# Altium PCB MCU025B.PcbDoc (part 3 of 4)
Units mil, origin at the board's own origin, x right, y up, seen from the top; angles counter-clockwise.
Board outline 2300 x 6150 mil, 6 copper layers (Top Signal, GND, Middle Signal, PWR, GND2, Bottom Signal), stack 61.64 mil thick; 237 components, 197 nets, 910 pads, 404 vias.
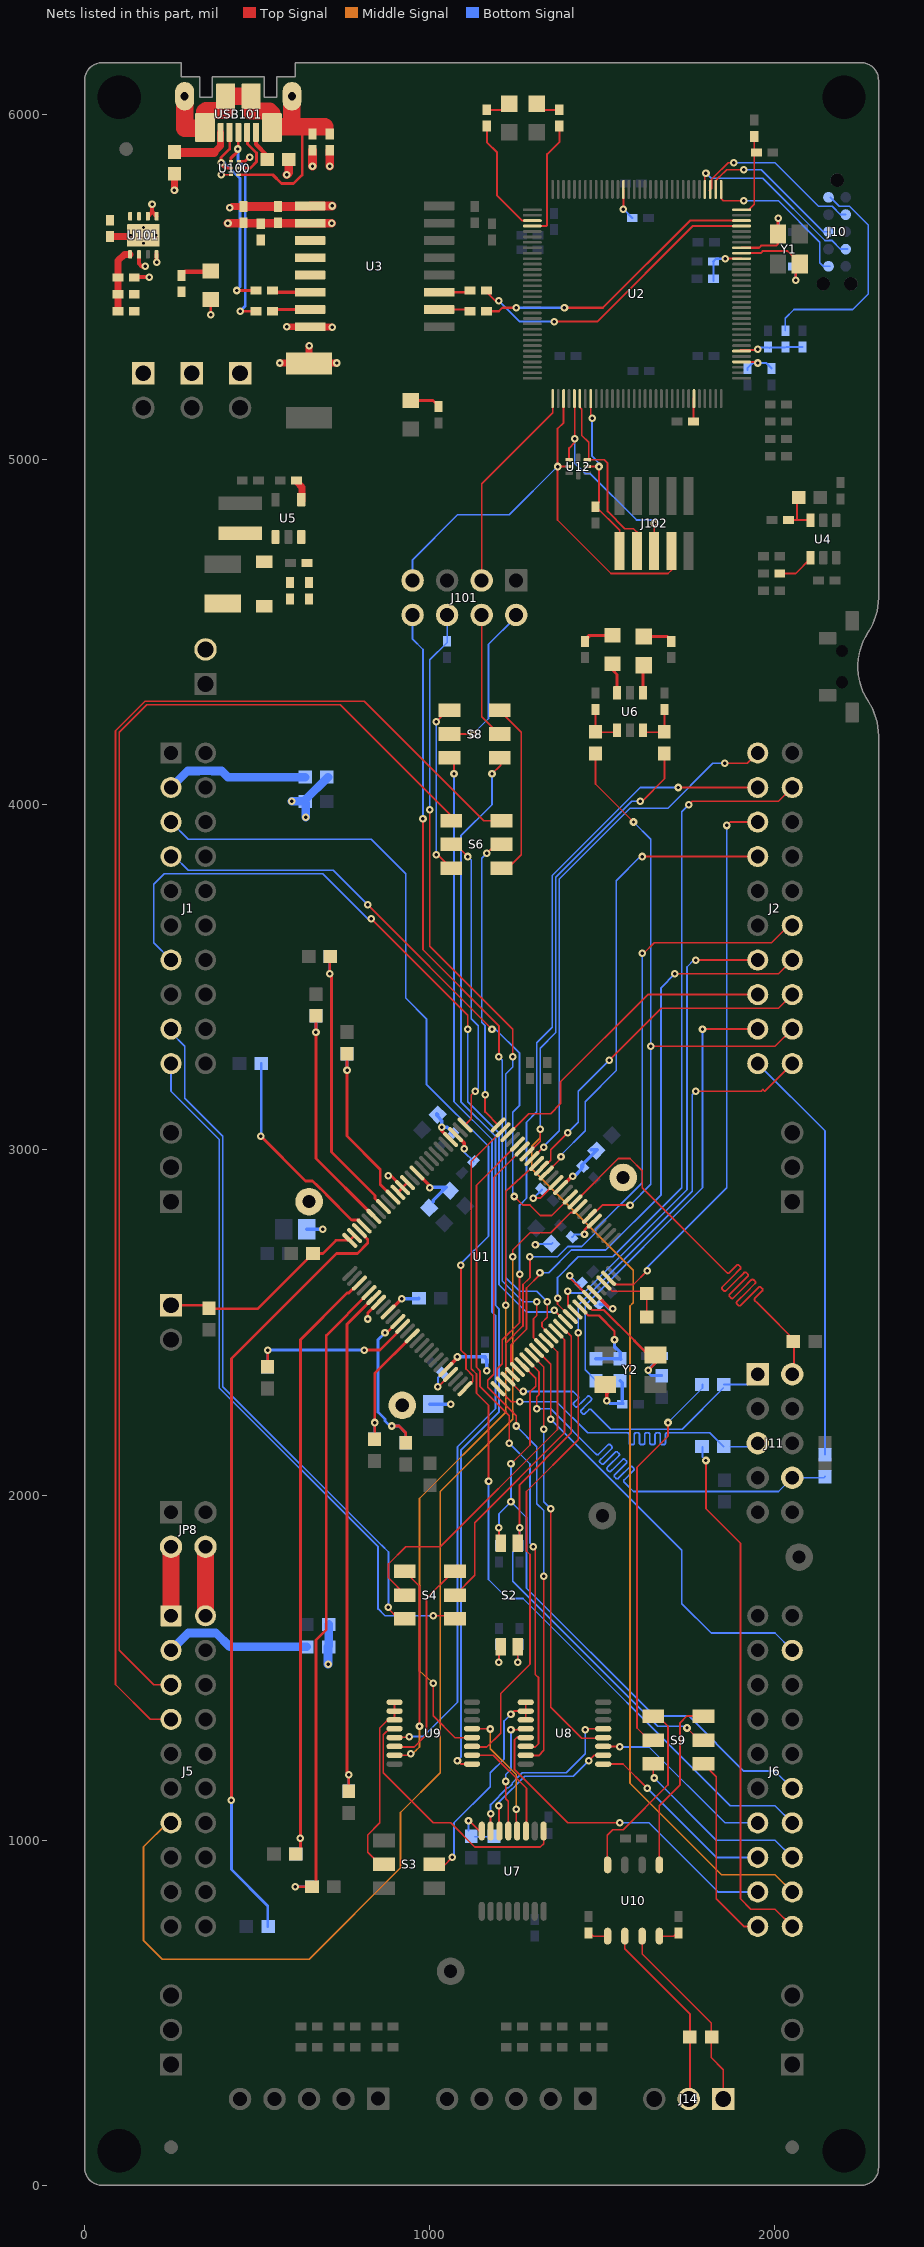
[diagram p7: the nets of this part, all layers, seen from the top]

## Via types
v1: diameter 22, hole 10, Top Signal to Bottom Signal, tented both sides, 400 vias
v2: diameter 19.68, hole 7.87, Top Signal to Bottom Signal, 4 vias

## Nets (pads, with @x,y where several pads share a name; then routed paths per layer and width w, separated by ;. In a path a pad name is that pad's centre, name@x,y a point inside that pad or via, vN(x,y) a via of type N, cw(c..) or ccw(c..) an arc to the next point about the centre after c; other vN are vias at no path point) (continued)
GPIO7_FSITXCLK: J11.2 R45.1 U1.84 | length 1583.5
  Top Signal w5: U1.84@1420.73,2849.38 1546.35,2975 1580,2975 1615,2940 1615,2890 1858.94,2646.06 1861.06,2643.94 ccw(c1864.24,2647.12) 1867.43,2643.94 1889.22,2665.73 cw(c1892.4,2662.55) 1895.58,2665.73 1899.83,2661.49 cw(c1896.64,2658.31) 1899.83,2655.12 1874.85,2630.15 1847.3,2602.6 ccw(c1850.48,2599.42) 1847.3,2596.24 1851.54,2591.99 ccw(c1854.73,2595.17) 1857.91,2591.99 1885.46,2619.54 1910.43,2644.52 cw(c1913.61,2641.33) 1916.8,2644.52 1921.04,2640.27 cw(c1917.86,2637.09) 1921.04,2633.91 1896.06,2608.94 1868.51,2581.39 ccw(c1871.7,2578.2) 1868.51,2575.02 1872.76,2570.78 ccw(c1875.94,2573.96) 1879.12,2570.78 1906.67,2598.33 1931.64,2623.3 cw(c1934.83,2620.12) 1938.01,2623.3 1942.25,2619.06 cw(c1939.07,2615.88) 1942.25,2612.7 1917.28,2587.72 1889.73,2560.17 ccw(c1892.91,2556.99) 1889.73,2553.81 1893.97,2549.57 ccw(c1897.15,2552.75) 1900.33,2549.57 1927.88,2577.12 1952.86,2602.09 cw(c1956.04,2598.91) 1959.22,2602.09 1963.46,2597.85 cw(c1960.28,2594.67) 1963.46,2591.48 1941.67,2569.69 ccw(c1944.85,2566.51) 1941.67,2563.33 1948.27,2556.73 1970,2535 2055,2450 2055,2355 J11.2@2050,2350
GPIO8: J2.38 U1.74 | length 1615.3
  Top Signal w5: U1.74@1518.17,2628.06 1536.23,2610 1590,2610 v1(1630,2650) ; v1(1860,3940) 1870,3950 J2.38@1950,3950
  Bottom Signal w5: v1(1630,2650) 1630,2660 1860,2890 v1(1860,3940)
GPIO9: J2.37 U1.90 | length 1370.1
  Top Signal w5: U1.90@1337.22,2932.89 1380,2975.68 v1(1380,2980) ; v1(1615,3850) J2.37@1950,3850
  Bottom Signal w5: v1(1380,2980) 1380,2985 1450,3055 1450,3140 1540,3230 1540,3780 1610,3850 v1(1615,3850)
GPIO10: J2.40 U1.93 | length 1570.2
  Top Signal w5: U1.93@1295.46,2974.65 1328.8,3008 v1(1330,3008) ; v1(1855,4120) 1920,4120 J2.40@1950,4150
  Bottom Signal w5: v1(1330,3008) 1330,3010 1375,3055 1375,3785 1580,3990 1690,3990 1820,4120 v1(1855,4120)
GPIO11: J2.39 U1.52 | length 2246.7
  Top Signal w5: U1.52@1211.94,2321.83 1195.45,2338.32 1195.45,2365.45 1210,2380 1210,2450 1260,2500 v1(1260,2640) ; v1(1720,4050) J2.39@1950,4050
  Bottom Signal w5: v1(1260,2640) 1260,2840 1280,2860 1280,3080 1310,3110 1310,3310 1355,3355 1355,3795 1610,4050 v1(1720,4050)
GPIO12_BP: J6.11 R47.2 | length 1538.7
  Top Signal w5: v1(1800,2100) 1800,1960 1900,1860 1900,830 1930,800 2000,800 J6.11@2050,750
  Bottom Signal w5: R47.2@1790,2140 1790,2110 v1(1800,2100)
GPIO12_FSIRXD0: J11.5 R47.1 U1.51 | length 1046.4
  Top Signal w5: U1.51@1198.02,2307.91 1235.93,2270 v1(1260,2270)
  Bottom Signal w5: v1(1260,2270) 1367,2270 1457,2180 1555,2180 1562.5,2180 1573,2180 cw(c1573,2175.5) 1577.5,2175.5 1577.5,2150.74 ccw(c1582,2150.74) 1582,2146.24 1588,2146.24 ccw(c1588,2150.74) 1592.5,2150.74 1592.5,2175.5 cw(c1597,2175.5) 1597,2180 1603,2180 cw(c1603,2175.5) 1607.5,2175.5 1607.5,2150.74 ccw(c1612,2150.74) 1612,2146.24 1618,2146.24 ccw(c1618,2150.74) 1622.5,2150.74 1622.5,2175.5 cw(c1627,2175.5) 1627,2180 1633,2180 cw(c1633,2175.5) 1637.5,2175.5 1637.5,2150.74 ccw(c1642,2150.74) 1642,2146.24 1648,2146.24 ccw(c1648,2150.74) 1652.5,2150.74 1652.5,2175.5 cw(c1657,2175.5) 1657,2180 1663,2180 cw(c1663,2175.5) 1667.5,2175.5 1667.5,2150.74 ccw(c1672,2150.74) 1672,2146.24 1678,2146.24 ccw(c1678,2150.74) 1682.5,2150.74 1682.5,2175.5 cw(c1687,2175.5) 1687,2180 1690,2180 1811.5,2180 R47.1@1851.5,2140 ; R47.1@1870,2140 1940,2140 J11.5@1950,2150
GPIO13: J1.3 U1.50 | length 2390
  Top Signal w5: v1(1090,2666) 1090,2420 1105,2405 1105,2365 1124.07,2345.93 1124.07,2330 U1.50@1101.98,2307.91
  Bottom Signal w5: J1.3@250,3950 300,3900 830,3900 930,3800 930,3440 990,3380 990,3190 1170,3010 1170,2750 1090,2670 v1(1090,2666)
GPIO14: U1.96 U8.14 | length 1899.3
  Top Signal w5: v1(1230,2150) 1230,2230 1145,2315 1145,2360 1135,2370 1135,2897.71 U1.96@1253.7,3016.41 ; U8.14@1280,1270 1305,1270 1315,1280 1315,1470 1305,1480 1305,1845 v1(1300,1850)
  Bottom Signal w5: v1(1230,2150) 1290,2090 1290,1860 v1(1300,1850)
GPIO14_BP: J6.32 U8.13 | length 972.8
  Top Signal w5: U8.13@1277.8,1297.2 1252.2,1297.2 1245,1290 1245,1205 1400,1050 v1(1550,1050)
  Bottom Signal w5: v1(1550,1050) 1635,1050 1835,850 J6.32@1950,850
GPIO14_Q2A: U7.5 U8.12 | length 348.1
  Top Signal w5: v1(1220,1170) 1220,1120 1227.2,1112.8 U7.5@1227.2,1026.14 ; v1(1235,1320) U8.12@1280,1320
  Bottom Signal w5: v1(1220,1170) 1220,1190 1235,1205 v1(1235,1320)
GPIO15: U1.95 U8.15 | length 1907.3
  Top Signal w5: 1167.61,2329.89 1167.61,2312.39 1250,2230 v1(1250,2200) ; 1167.61,2330 1167.61,2332.61 1185,2350 1185,2919.87 U1.95@1267.62,3002.49 ; U8.15@1280,1245 1315,1245 1330,1260 v1(1330,1765)
  Bottom Signal w5: v1(1250,2200) 1310,2140 1310,1975 1330,1955 v1(1330,1765)
GPIO15_BP: J6.33 U8.1 | length 559.8
  Top Signal w5: U8.1@1502.2,1220.43 1559.57,1220.43 v1(1630,1150)
  Bottom Signal w5: v1(1630,1150) 1830,950 J6.33@1950,950
GPIO15_Q2B: U7.6 U8.2 | length 438.7
  Top Signal w5: U7.6@1200,1030 v1(1200,1100) ; v1(1460,1230) 1476.02,1246.02 U8.2@1502.2,1246.02
  Bottom Signal w5: v1(1200,1100) 1200,1110 1231.5,1141.5 1231.81,1141.5 1248.5,1158.2 1248.5,1158.5 1275,1185 1415,1185 v1(1460,1230)
GPIO16: J2.15 U1.54 | length 1921.9
  Top Signal w5: U1.54@1240.33,2349.67 U1.54@1239.78,2349.67 1239.78,2350.22 1220,2370 1220,2440 1270,2490 1270,2610 1290,2630 v1(1290,2690) ; v1(1615,3570) 1618,3570 1619,3569 1650,3600 1990,3600 J2.15@2040,3650
  Bottom Signal w5: v1(1290,2690) 1370,2690 1400,2720 1440,2720 1480,2760 1480,2770 1615,2905 v1(1615,3570)
GPIO17: J2.14 U1.55 | length 1781.5
  Top Signal w5: U1.55@1253.7,2363.59 1235,2382.29 1235,2435 1280,2480 1280,2600 1320,2640 1319,2641 v1(1319,2644) ; v1(1710,3510) 2010,3510 J2.14@2050,3550
  Bottom Signal w5: v1(1319,2644) 1344,2644 1410,2710 1510,2710 1670,2870 1670,3470 v1(1710,3510)
GPIO18_BP: J2.32 R28.1 | length 1332.3
  Top Signal w5: v1(1790,3350) J2.32@1950,3350
  Bottom Signal w5: R28.1@1481.21,2331.43 1450,2362.65 1450,2550 1790,2890 v1(1790,3350)
GPIO18_X2: R28.2 R31.2 U1.68 | length 355.5
  Top Signal w6: U1.68@1434.65,2544.54 1459.2,2520 1490,2520 1535,2475 v1(1535,2450)
  Bottom Signal w10: v1(1535,2450) 1535,2430 1551.21,2413.79 R31.2@1551.21,2394.43 ; R31.2@1550,2395 1549.43,2394.43 R28.2@1481.21,2394.43 1550,2394.42 R31.2@1551.21,2394.43
GPIO22: J5.7 U1.83 | length 3427.8
  Top Signal w5: v1(1240,2690) 1240,2710 1290,2760 1350,2760 1408.5,2818.5 1417.7,2818.5 U1.83@1434.65,2835.46
  Middle Signal w5: J5.7@250,1050 240,1050 170,980 170,710 225,655 650,655 915,920 915,1080 1030,1195 1030,2010 1240,2220 v1(1240,2690)
GPIO23: J2.12 R38.1 U1.81 | length 1962.8
  Top Signal w5: U1.81@1462.49,2807.62 1467.62,2807.62 1500,2840 v1(1580,2840) ; R38.1@1480,4150 R38.1@1480,4148.5 1480,4060 v1(1590,3950) ; v1(1640,3300) 2000,3300 J2.12@2050,3350
  Bottom Signal w5: v1(1580,2840) 1640,2900 v1(1640,3300) 1640,3900 v1(1590,3950)
GPIO24: J6.15 R33.1 S2.2 U1.56 | length 1908
  Top Signal w5: S2.2@1200,1860 v1(1200,1905) ; v1(1235,2090) 1290,2145 1290,2298.84 1306.5,2315.34 1306.5,2338.63 U1.56@1267.62,2377.51
  Bottom Signal w5: R33.1@1200,1853.62 v1(1200,1905) 1200,1945 v1(1235,1980) ; v1(1235,2090) v1(1235,1980) ; J6.15@2050,1150 2000,1200 1910,1200 1750,1360 1650,1360 1280,1730 1280,1935 v1(1235,1980)
GPIO25_BP: J2.31 R72.2 | length 1214.3
  Bottom Signal w5: J2.31@1950,3250 2145,3055 R72.2@2145,2116.5
GPIO25_FSITXD1: J11.8 R72.1 U1.57 | length 1516.7
  Top Signal w5: U1.57@1281.54,2391.43 1316.5,2356.47 1316.5,2291.5 1310,2285 v1(1310,2250)
  Bottom Signal w5: v1(1310,2250) 1350,2250 1480,2120 1482.12,2117.88 ccw(c1485.3,2121.06) 1488.49,2117.88 1516.08,2145.48 cw(c1519.27,2142.3) 1522.45,2145.48 1526.69,2141.24 cw(c1523.51,2138.05) 1526.69,2134.87 1495.91,2104.09 1492.93,2101.11 ccw(c1496.11,2097.93) 1492.93,2094.75 1497.17,2090.5 ccw(c1500.35,2093.69) 1503.54,2090.5 1506.52,2093.48 1537.3,2124.26 cw(c1540.48,2121.08) 1543.66,2124.26 1547.9,2120.02 cw(c1544.72,2116.84) 1547.9,2113.66 1517.12,2082.88 1514.14,2079.9 ccw(c1517.32,2076.71) 1514.14,2073.53 1518.39,2069.29 ccw(c1521.57,2072.47) 1524.75,2069.29 1527.73,2072.27 1558.51,2103.05 cw(c1561.69,2099.87) 1564.87,2103.05 1569.12,2098.81 cw(c1565.94,2095.63) 1569.12,2092.44 1538.34,2061.66 1535.36,2058.68 ccw(c1538.54,2055.5) 1535.36,2052.32 1539.6,2048.08 ccw(c1542.78,2051.26) 1545.96,2048.08 1548.94,2051.06 1579.72,2081.84 cw(c1582.91,2078.66) 1586.09,2081.84 1590.33,2077.6 cw(c1587.15,2074.41) 1590.33,2071.23 1562.73,2043.63 ccw(c1565.91,2040.45) 1562.73,2037.27 1567.36,2032.64 1590,2010 2010,2010 J11.8@2050,2050 2141.5,2050 R72.1@2145,2053.5
GPIO26: U1.58 U8.4 | length 1235.2
  Top Signal w5: U1.58@1295.46,2405.35 1330,2370.81 v1(1330,2190) ; v1(1350,1960) 1350,1750 1350,1730 1350,1385 1440,1295 U8.4@1505,1295
  Bottom Signal w5: v1(1330,2190) 1330,1980 v1(1350,1960)
GPIO26_BP: J6.34 U8.3 | length 539.6
  Top Signal w5: U8.3@1502.2,1271.61 1548.39,1271.61 v1(1550,1270)
  Bottom Signal w5: v1(1550,1270) 1635,1270 1855,1050 J6.34@1950,1050
GPIO26_Q2I: U7.7 U8.5 | length 534.8
  Top Signal w5: v1(1176,1077) 1176,1034 U7.7@1180,1030 ; v1(1450,1320) 1452.8,1322.8 U8.5@1502.2,1322.8
  Bottom Signal w5: v1(1176,1077) 1176,1103 1224.5,1151.5 1227.66,1151.5 1238.5,1162.34 1238.5,1165.5 1268,1195 1395,1195 1450,1250 v1(1450,1320)
GPIO27: J6.19 U1.59 | length 1291.5
  Top Signal w5: U1.59@1309.38,2419.27 1350,2378.65 v1(1350,2220)
  Bottom Signal w5: v1(1350,2220) 1730,1840 1730,1685 1815,1600 2000,1600 J6.19@2050,1550 J6.19@2055,1545
GPIO28: S6.2 U1.1 | length 868.5
  Top Signal w5: S6.2@1065,3885 1075,3885 v1(1110,3850) ; U1.1@1100,3070 1120,3090 1120,3159 v1(1131,3170)
  Bottom Signal w5: v1(1110,3850) 1120,3840 1120,3380 1140,3360 1140,3179 v1(1131,3170)
GPIO28_BP: J5.3 S6.1 | length 3994.1
  Top Signal w5: J5.3@250,1450 200,1450 100,1550 100,4210 180,4290 740,4290 1062.17,3967.83 S6.1@1062.17,3953.9
GPIO28_SCIRX: S6.3 S8.6 | length 507.8
  Top Signal w5: v1(1018.5,3854.86) 1018.27,3855.09 1018.27,3860 S6.3@1062.17,3816.1 ; v1(1018.5,4240.14) 1018.64,4240 1048.64,4270 S8.6@1060,4270
  Bottom Signal w5: v1(1018.5,3854.86) 1018.5,4233.5 1020,4235 1020,4238.64 v1(1018.5,4240.14)
GPIO29: S6.5 U1.100 | length 867.3
  Top Signal w5: v1(1160,3160) 1160,3110 U1.100@1200,3070 ; v1(1165,3860) 1190,3885 S6.5@1205,3885
  Bottom Signal w5: v1(1160,3160) 1160,3360 1150,3370 1150,3845 v1(1165,3860)
GPIO29_BP: J5.4 S6.4 | length 4264
  Top Signal w5: J5.4@250,1350 190,1350 89,1451 89,4214.56 174.44,4300 810,4300 1156.1,3953.9 S6.4@1207.83,3953.9
GPIO29_SCITX: S6.6 S8.3 | length 520.2
  Top Signal w5: S8.3@1200,4275 1265,4210 1265,3855 1226.1,3816.1 S6.6@1207.83,3816.1
GPIO30: J2.33 U1.98 | length 932.6
  Top Signal w5: U1.98@1225.86,3045.86 U1.98@1225.86,3044.25 1286.61,3105 ; 1285,3105 1286.61,3105 ; J2.33@1950,3450 1631.61,3450 1378.31,3196.69 1378.31,3133.31 1350,3105 1286.61,3105
GPIO31: J6.14 U1.99 | length 2534
  Top Signal w5: v1(1170,2040) 1170,2260 1135,2295 1135,2350.56 1120,2365.56 1120,2966.23 U1.99@1211.94,3058.17
  Bottom Signal w5: v1(1170,2040) 1170,1755 1225,1700 1270,1700 1870,1100 2000,1100 J6.14@2050,1050
GPIO32: R34.1 S2.1 S9.5 U1.64 | length 1598.9
  Top Signal w5: S2.1@1260,1860 v1(1260,1905) 1260,2030 1410,2180 1410,2460 1381.14,2488.86 U1.64@1378.97,2488.86 ; v1(1745,1325) S9.5@1780,1290
  Bottom Signal w5: v1(1260,1905) R34.1@1260,1853.62 1240,1833.62 1240,1750 1660,1330 1740,1330 v1(1745,1325)
GPIO32_BP: J6.31 S9.6 | length 559.6
  Top Signal w5: S9.6@1792.83,1221.1 1830,1183.94 1830,830 1910,750 J6.31@1950,750
GPIO32_CANTX: S9.4 U10.1 | length 513.1
  Top Signal w5: U10.1@1665,925 U10.1@1665,928.35 1665,1100 1725,1160 1725,1340 1745,1360 S9.4@1790,1360
GPIO33_ALT: R46.2 S9.2 | length 1135.4
  Top Signal w5: S9.2@1647.17,1290 1635,1290 1600,1325 1600,2080 1690,2170 v1(1690,2210)
  Bottom Signal w5: v1(1690,2210) 1790,2310 R46.2@1790,2320
GPIO33_BP: J6.13 S9.3 | length 537.5
  Top Signal w5: S9.3@1647.17,1221.1 1647.17,1182.83 v1(1650,1180)
  Bottom Signal w5: v1(1650,1180) 1830,1000 2000,1000 J6.13@2050,950
GPIO33_CANRX: S9.1 U10.4 | length 545.9
  Top Signal w5: U10.4@1514,927 1514,1014 1530,1030 1560,1030 1690,1160 1690,1330 1660,1360 S9.1@1650,1360
GPIO33_FSIRXCLK: J11.1 R46.1 U1.53 | length 1066
  Top Signal w5: U1.53@1225.86,2335.75 1261.61,2300 v1(1270,2300)
  Bottom Signal w5: 1349.61,2300 v1(1270,2300) 1415,2300 ; 1410,2300 1415,2300 ; R46.1@1850,2310 1730.82,2190.82 1524.18,2190.82 1469.59,2245.41 1467.47,2247.53 ccw(c1464.28,2244.35) 1461.1,2247.53 1448.89,2235.32 cw(c1445.71,2238.5) 1442.53,2235.32 1438.28,2239.56 cw(c1441.47,2242.75) 1438.28,2245.93 1453.68,2261.32 1467.23,2274.87 ccw(c1464.05,2278.06) 1467.23,2281.24 1462.99,2285.48 ccw(c1459.81,2282.3) 1456.62,2285.48 1443.07,2271.93 1427.68,2256.53 cw(c1424.5,2259.72) 1421.31,2256.53 1417.07,2260.78 cw(c1420.25,2263.96) 1417.07,2267.14 1429.28,2279.35 ccw(c1426.1,2282.54) 1429.28,2285.72 1422.5,2292.5 1415,2300 ; R46.1@1851.5,2320 1920,2320 J11.1@1950,2350
GPIO34: J6.12 R39.1 U1.94 | length 3980.7
  Top Signal w5: U1.94@1281.54,2988.57 1283.57,2988.57 1320,3025 v1(1320,3060) ; v1(1610,4010) 1615,4010 1680,4075 1680,4140 R39.1@1690,4150
  Middle Signal w5: v1(1320,3060) 1320,3035 1295,3010 1295,2945 1589,2651 1589,2556.75 1580,2547.75 1580,1165 1845,900 2000,900 J6.12@2050,850
  Bottom Signal w5: v1(1320,3060) 1320,3295 1365,3340 1365,3790 1585,4010 v1(1610,4010)
GPIO35: S4.5 U1.63 | length 906.7
  Top Signal w5: S4.5@1072.83,1710 1130,1767.17 1130,1920 1390,2180 1390,2450 U1.63@1365.06,2474.94
GPIO35_ALT: S4.4 U9.14 | length 615
  Top Signal w5: U9.14@900,1270 955,1270 990,1305 990,1700 1068.9,1778.9 S4.4@1072.83,1778.9
GPIO35_BP: J1.10 S4.6 | length 2071
  Top Signal w5: v1(1010,1650) 1070,1650 S4.6@1080,1640
  Bottom Signal w5: J1.10@250,3250 250,3170 390,3030 390,2310 850,1850 850,1670 870,1650 v1(1010,1650)
GPIO35_Q1A: U7.1 U9.12 | length 736.5
  Top Signal w5: U9.12@895,1325 885,1325 865,1305 865,1195 1010,1050 1060,1050 1130,980 1320,980 1330,990 U7.1@1330,1020
GPIO35_SCIRX: S8.4 U9.13 | length 3063.8
  Top Signal w5: U9.13@895.59,1295 U9.13@897.8,1297.2 ; U9.13@898,1298 938,1298 v1(940,1300) ; S8.4@1055,4135 1070,4120 v1(1070,4090)
  Bottom Signal w5: v1(940,1300) 980,1300 1080,1400 1080,2140 1190,2250 1190,2520 1180,2530 1180,3030 1070,3140 v1(1070,4090)
GPIO37: S4.2 U1.61 | length 1032.9
  Top Signal w5: S4.2@930,1710 880,1760 880,1800 930,1850 1030,1850 1370,2190 1370,2414.32 U1.61@1337.22,2447.11
GPIO37_ALT: S4.1 U9.15 | length 608.8
  Top Signal w5: U9.15@897.8,1246.02 941.02,1246.02 v1(945,1250) ; S4.1@927.17,1778.9 970,1736.06 970,1340 v1(970,1330)
  Middle Signal w5: v1(945,1250) 950,1250 960,1260 970,1270 v1(970,1330)
GPIO37_BP: J1.9 S4.3 | length 2003.9
  Top Signal w5: v1(880,1675) 880,1670 910,1640 S4.3@930,1640
  Bottom Signal w5: J1.9@250,3350 250,3340 290,3300 290,3150 400,3040 400,2314.14 860,1854.14 860.86,1854.14 880,1835 v1(880,1675)
GPIO37_Q1B: U7.3 U9.2 | length 317.6
  Top Signal w5: U9.2@1122.2,1246.02 1183.98,1246.02 1280,1150 U7.3@1280,1030
GPIO37_SCITX: S8.1 U9.1 | length 3099.1
  Top Signal w5: v1(1080,1230) 1089.57,1220.43 U9.1@1122.2,1220.43 ; v1(1180,4090) 1205,4115 S8.1@1205,4140
  Bottom Signal w5: v1(1080,1230) 1090,1240 1090,2130 1200,2240 1200,2540 1190,2550 1190,3040 1090,3140 1090,3910 1180,4000 v1(1180,4090)
GPIO39: J2.13 U1.91 | length 1005.4
  Top Signal w5: U1.91@1323.3,2946.81 1326.81,2946.81 1350,2970 1350,3000 v1(1400,3050) ; v1(1520,3260) 1670,3410 2010,3410 J2.13@2050,3450
  Bottom Signal w5: v1(1400,3050) 1430,3080 1430,3170 v1(1520,3260)
GPIO40: J1.4 U1.85 | length 1882.5
  Top Signal w5: v1(820,3710) v1(1180,3350) ; v1@1245,2869.34 v1(1245,2865) 1270,2840 1290,2840 1320,2810 1353.52,2810 U1.85@1406.81,2863.3
  Bottom Signal w5: J1.4@250,3850 260,3850 300,3810 720,3810 v1(820,3710) ; v1(1180,3350) 1190,3350 1260,3280 1260,3129.11 1240,3109.11 1240,2870 v1(1245,2865)
GPIO56: J1.7 U1.65 | length 2394.5
  Top Signal w5: v1(830,3670) 1110,3390 v1(1110,3350) ; v1(1360,2535) 1363,2535 1364,2534 1364.32,2534.32 1365.68,2534.32 1365.68,2530 U1.65@1392.89,2502.78
  Bottom Signal w5: J1.7@250,3550 200,3600 200,3770 230,3800 690,3800 820,3670 v1(830,3670) ; v1(1110,3350) 1110,3140 1200,3050 1200,2610 1280,2530 1355,2530 v1(1360,2535)
GPIO57: J2.19 U1.66 | length 2035.2
  Top Signal w5: v1(1370,2570) 1370,2553.52 U1.66@1406.81,2516.7 ; v1(1750,4000) 1760,4010 2010,4010 J2.19@2050,4050
  Bottom Signal w5: v1(1370,2570) 1370,2630 1430,2690 1530,2690 1730,2890 1730,3980 v1(1750,4000)
GPIO58: J2.34 U1.67 | length 1397.6
  Top Signal w5: v1(1400,2590) 1400,2551.35 U1.67@1420.73,2530.62 ; v1(1770,3550) J2.34@1950,3550
  Bottom Signal w5: v1(1400,2590) 1405,2585 1445,2585 1745,2885 1745,3530 1765,3550 v1(1770,3550)
GPIO59: U1.92 U9.4 | length 1902
  Top Signal w5: v1(1010,1454.34) 1010,1360 1073,1297 U9.4@1124,1297 ; v1(1220,2550) 1220,2880 U1.92@1309.38,2960.73
  Middle Signal w5: v1(1010,1454.34) 1004.69,1459.65 970,1490 970,1990 1220,2240 v1(1220,2550)
GPIO59_BP: J2.11 U9.3 | length 2516.2
  Top Signal w5: U9.3@1125,1270 1165,1270 1205,1310 1205,1425 1290,1510 1290,1827.75 1280,1837.75 1280,2010 1430,2160 v1(1430,2470) ; v1(1770,3170) 1960,3170 1965,3175 1970,3170 J2.11@2050,3250
  Bottom Signal w5: v1(1430,2470) 1430,2550 1760,2880 1760,3160 v1(1770,3170)
GPIO59_Q1I: U7.4 U9.5 | length 405.4
  Top Signal w5: U9.5@1122.2,1322.8 1177.2,1322.8 v1@1180,1320 ; U7.4@1250,1030 v1(1250,1090) ; U7.4@1252.8,1002.8 U7.4@1252.8,1026.14
  Middle Signal w5: v1@1180,1320 1175,1315 1175,1265 1250,1190 v1(1250,1090)
  other v1: 1175,1322
ITCK: J10.4 U2.100 | length 549.3
  Top Signal w5: U2.100@1796.85,5783.15 1796.85,5826.85 v1(1800,5830)
  Bottom Signal w5: v1(1800,5830) 1815,5815 1965,5815 2145,5635 2165,5635 2165.47,5634.53 2190,5610 J10.4@2205,5610 J10.4@2210,5610
ITDI: J10.8 U2.98 | length 444.7
  Top Signal w5: U2.98@1828.35,5783.15 1828.35,5808.35 1831.66,5811.66 1831.66,5811.92 1838.94,5819.21 1839.21,5819.21 1860,5840 v1(1910,5840)
  Bottom Signal w5: v1(1910,5840) 1960,5840 2140,5660 J10.8@2155,5660 J10.8@2160,5660
ITDO: J10.6 U2.97 | length 459.4
  Top Signal w5: U2.97@1844.09,5783.15 1844.09,5755.91 1850,5750 v1(1910,5750)
  Bottom Signal w5: v1(1910,5750) 2010,5750 2130,5630 2130,5570 2140,5560 J10.6@2155,5560 J10.6@2160,5560
ITMS: J10.2 U2.99 | length 505.5
  Top Signal w5: U2.99@1810,5780 1815.91,5785.91 1815.91,5811.92 1823.19,5819.21 1823.39,5819.21 1864.18,5860 v1(1880,5860)
  Bottom Signal w5: v1(1880,5860) 2000,5860 2126,5734 2166,5734 2190,5710 J10.2@2205,5710
NetC3_1: C3.1 C4.1 D1.1 JP9.2 R7.2
NetC3_2: C3.2 R7.1 R9.2 U5.3
NetC8_1: C8.1 R6.1 U4.6 | length 134.6
  Top Signal w5: C8.1@2038.62,4825 2065,4825 ; R6.1@2070,4890 2063.62,4883.62 2063.62,4826.38 2065,4825 ; U4.6@2105,4825 2065,4825
NetC26_2: C26.2 R14.1 U1.18 | length 838.9
  Top Signal w8: R14.1@710,3560 v1(710,3510) 715,3505 715,2994 841.4,2867.6 841.4,2859.4 U1.18@865.35,2835.46
  Bottom Signal w8: v1(710,3510) C26.2@710,3560
NetC27_2: C27.2 R16.1 U1.30 | length 1887.6
  Top Signal w8: v1(610,865) R16.1@657.01,865 ; R16.1@658.5,865 R16.1@658.5,866.5 ; R16.1@660,865 670,875 670,1580 700,1610 700,2462.71 U1.30@823.59,2586.3
  Bottom Signal w8: v1(610,865) C27.2@658.5,865 C27.2@660,865
NetC28_2: C28.2 R17.1 U1.20 | length 700.8
  Top Signal w8: R17.1@670,3390 R17.1@670,3388.5 v1(670,3341) 670,2975.13 U1.20@837.51,2807.62
  Bottom Signal w8: v1(670,3341) C28.2@670,3388.5 C28.2@670,3390
NetC29_2: C29.2 R18.1 U1.31 | length 1515.1
  Top Signal w8: R18.1@765,1140 R18.1@765,1141.5 v1(765,1190) 760,1195 760,2494.87 U1.31@837.51,2572.38
  Bottom Signal w8: C29.2@765,1141.5 v1(765,1190)
NetC30_2: C30.2 R20.1 U1.16 | length 519.4
  Top Signal w8: R20.1@760,3280 R20.1@760,3278.5 v1(760,3231) 760,3040 856,2944 856,2900.48 U1.16@893.19,2863.3
  Bottom Signal w8: v1(760,3231) C30.2@760,3278.5
NetC31_2: C31.2 R21.1 U1.28 | length 1786.8
  Top Signal w8: R21.1@610,960 625,975 v1(625,1005) 625,2450 760,2585 765,2585 794.14,2614.14 U1.28@795.75,2614.14
  Bottom Signal w8: C31.2@611.5,960 610,961.5 625,976.5 v1(625,1005)
NetC32_1: C32.1 R19.2 U1.36 | length 503.5
  Top Signal w8: v1(870,2470) 874.32,2470 U1.36@907.11,2502.78 ; v1(890,2200) 910,2200 930,2180 R19.2@930,2151.5 R19.2@930,2150
  Bottom Signal w8: v1(870,2470) 850,2450 850,2240 870,2220 870,2215 885,2200 v1(890,2200) 910,2200 930,2180 C32.1@930,2151.5
NetC33_1: C33.1 R22.2 U1.37 | length 530.8
  Top Signal w8: v1(530,2420) 530,2381.5 540,2371.5 R22.2@540,2370 ; v1(810,2420) 855,2420 U1.37@925,2490
  Bottom Signal w8: C33.1@540,2371.5 530,2381.5 v1(530,2420) v1(810,2420)
NetC34_1: C34.1 R25.2 U1.39 | length 394.6
  Top Signal w8: R25.2@840,2160 R25.2@840,2161.5 v1(840,2210) 840,2352.16 U1.39@948.86,2461.03
  Bottom Signal w8: C34.1@840,2161.5 v1(840,2210)
NetC35_1: C35.1 C36.1 J15.1 U1.24 U1.25 | length 620.9
  Top Signal w8: J15.1@250,2550 350,2550 360,2540 501.5,2540 C36.1@661.5,2700 690,2700 728.02,2738.02 U1.25@767.91,2738.02 ; U1.25@770,2740 781.83,2751.83 U1.24@781.83,2751.94
NetC38_1: C38.1 R31.1 Y2.1 | length 168.6
  Top Signal w10: Y2.1@1508.38,2319.62 1523.43,2304.57 1513,2294.14 v1(1513,2273)
  Bottom Signal w8: v1(1513,2273) 1521,2265 C38.1@1560,2265
  Bottom Signal w10: R31.1@1551.21,2331.43 1557.59,2325.06 C38.1@1557.59,2273
NetC50_1: C50.1 R62.2 U2.96 | length 1092.2
  Top Signal w5: U2.96@1900,5724.28 U2.96@1924.28,5724.28 ; U2.96@1900,5724.28 U2.96@1924.28,5724.28 ; U2.96@1900,5724.28 U2.96@1924.28,5724.28 ; U2.96@1900,5724.28 U2.96@1924.28,5724.28 ; U2.96@1900,5724.28 U2.96@1924.28,5724.28 ; U2.96@1924.28,5724.28 1940,5740 ; 1940,5740 C50.1@1940,5890 ; 1940,5740 C50.1@1940,5890 ; 1940,5740 C50.1@1940,5890 ; 1940,5740 C50.1@1940,5890 ; 1940,5851.11 C50.1@1940,5890 ; 1940,5851.11 R62.2@1940,5936.38 ; 1940,5851.11 C50.1@1940,5890 ; C50.1@1940,5890 R62.2@1940,5936.38 ; C50.1@1940,5890 R62.2@1940,5936.38 ; C50.1@1940,5890 R62.2@1940,5936.38 ; C50.1@1940,5890 R62.2@1940,5936.38
NetC59_1: C59.1 C60.1 C61.1 U2.87 U2.115 | length 237.7
  Top Signal w6: v1(1560,5725) 1560.63,5725.63 U2.115@1560.63,5783.15 ; v1(1856,5582) 1862,5582 1862.36,5582.36 U2.87@1903.15,5582.36
  Bottom Signal w6: v1(1560,5725) 1561.38,5725 C61.1@1586.38,5700 ; C59.1@1821,5574 1829,5582 1846,5582 v1(1856,5582) ; C60.1@1821.62,5517.62 C60.1@1821.62,5524 1821.62,5572.62 C59.1@1823,5574
NetC62_1: C62.1 U2.89 Y1.3 | length 227.7
  Top Signal w6: U2.89@1903.15,5613.86 1953.86,5613.86 1960,5620 2004,5620 2009,5625 2008,5626 Y1.3@2008,5653
  Top Signal w8: Y1.3@2008.5,5653.31 2008.5,5698.5 v1(2010,5700)
  Bottom Signal w8: C62.1@2006.38,5660 2010,5663.62 v1(2010,5700)
NetC63_1: C63.1 U2.88 Y1.1 | length 283.5
  Top Signal w6: U2.88@1903.15,5598.11 1957.89,5598.11 1964,5604.22 2036.78,5604.22 2073,5568 Y1.1@2073,5566
  Top Signal w8: v1(2060,5520) 2060,5555.2 Y1.1@2071.5,5566.69
  Bottom Signal w8: C63.1@2053.62,5560 2053.62,5549.37 2060,5542.99 v1(2060,5520)
NetC66_1: C66.1 R70.1 U2.68 | length 137
  Top Signal w6: U2.68@1903.15,5283.15 1946.85,5283.15 v1(1950,5280)
  Bottom Signal w6: R70.1@1920,5260 1920,5265 1935,5280 v1(1950,5280) 1975,5280 1990,5265 C66.1@1990,5263.62
NetC101_1: C101.1 R100.2 U100.1 USB101.6 USB101.7 USB101.8 USB101.9 USB101.10 USB101.11 | length 1103.4
  Top Signal w8: U100.1@445.83,5825.31 544.69,5825.31 570,5800 605,5800 630,5825 630,5964.8 630,5965
  Top Signal w50: USB101.10@289.49,6052.91 289.49,5960.51 USB101.11@346.2,5960.51 ; USB101.11@348.05,5962.36 348.05,6008.05 350,6010 ; 351.91,6011.91 408.09,6011.91 USB101.9@408.09,6052.91 USB101.8@481.91,6052.91 481.91,6011.91 ; 480,6010 535,6010 541.95,6003.05 USB101.6@541.95,5964.8 ; USB101.6@539.51,5964.8 USB101.6@541.95,5964.8 ; USB101.6@541.95,5962.36 USB101.6@541.95,5964.8 ; USB101.7@600,6052.4 600,5964.8 ; 695.2,5964.8 630,5964.8 600,5964.8 ; USB101.6@541.95,5964.8 600,5964.8
NetC102_2: C102.2 R101.1 R102.2 U101.5 | length 189.4
  Top Signal w20: C102.2@96,5478 96.38,5477.62 R101.1@96.38,5430 ; C102.2@96.38,5478 C102.2@96.38,5479 R102.2@96.38,5528 96.38,5576.38 114.88,5594.88 U101.5@131.61,5594.88
NetC106_2: C106.2 U3.3 U3.4 U3.5
NetD1_2: D1.2 L1.2 U5.1
NetJ5_1: J5.1 JP8.3 | length 200
  Top Signal w50: J5.1@250,1650 JP8.3@250,1850
NetJ5_21: J5.21 JP8.4 | length 200
  Top Signal w50: J5.21@350,1650 JP8.4@350,1850
NetJ10_10: J10.10 R66.1 | length 648.5
  Bottom Signal w5: R66.1@2030,5373.62 2030,5410 2055,5435 2225,5435 2270,5480 2270,5680 2216,5734 2186,5734 J10.10@2160,5760
NetJ14_1: J14.1 R55.2 U10.7 | length 569
  Top Signal w5: U10.7@1615,721.65 1615,670 1815,470 1815,370 1850,335 J14.1@1850,250
NetJ14_2: J14.2 R55.1 U10.6 | length 551.2
  Top Signal w5: U10.6@1565,721.65 1565,685 1753.5,496.5 R55.1@1753.5,430 1753.5,253.5 J14.2@1750,250
NetL100_1: L100.1 USB101.5 | length 91.6
  Top Signal w12: USB101.5@496.18,5948.19 496.18,5913.82 528.5,5881.5 L100.1@528.5,5870
NetL101_1: L101.1 USB101.1 | length 179.3
  Top Signal w20: 374.61,5890 393.82,5909.21 USB101.1@393.82,5948.19
  Top Signal w25: L101.1@261.5,5890 374.61,5890
NetLED0_2: LED0.2 R105.1 | length 169.7
  Top Signal w8: R105.1@280,5535 R105.1@286.5,5541.5 ; LED0.2@361.5,5541.5 R105.1@286.5,5541.5 ; LED0.2@365,5540 LED0.2@365,5545 ; LED0.2@365,5546.34 291.34,5546.34 R105.1@286.5,5541.5
NetLED1_2: LED1.2 R3.1 | length 86.8
  Top Signal w8: LED1.2@945,5171.34 1008.66,5171.34 R3.1@1025,5155
NetLED2_1: LED2.1 R63.1 | length 71.8
  Top Signal w6: R63.1@1165,6013.62 1213.62,6013.62 LED2.1@1230,6030
NetLED3_1: LED3.1 R64.1 | length 71.8
  Top Signal w6: LED3.1@1310,6030 1326.38,6013.62 R64.1@1375,6013.62
NetLED4_1: LED4.1 U6.6 | length 95.2
  Top Signal w5: U6.6@1540,4320 U6.6@1540,4324.13
  Top Signal w8: LED4.1@1530,4410 1530,4390 1542.6,4377.4 U6.6@1542.6,4324.13
NetLED4_2: LED4.2 R29.1 | length 171.5
  Top Signal w8: R29.1@1449.37,4473.46 1465.91,4490 LED4.2@1530,4490 ; R29.1@1450,4480 1461.18,4491.18 LED4.2@1529.37,4491.18
NetLED5_1: LED5.1 R30.1 | length 85.1
  Top Signal w8: LED5.1@1620,4487.34 1687.66,4487.34 R30.1@1700,4475
NetLED5_2: LED5.2 U6.4 | length 81.9
  Top Signal w8: U6.4@1617.4,4324.13 1617.4,4402.4 LED5.2@1620,4405
NetR1_1: R1.1 U3.11 | length 123.3
  Top Signal w6: U3.11@1027.01,5485 R1.1@1115,5485 ; R1.1@1115,5485 R1.1@1120,5490 ; R1.1@1115,5485 R1.1@1120,5490 ; R1.1@1115,5485 R1.1@1120,5490 ; R1.1@1115,5485 R1.1@1120,5490 ; R1.1@1115,5485 R1.1@1120,5490
NetR2_1: R2.1 U3.10 | length 123.3
  Top Signal w6: U3.10@1027.01,5435 R2.1@1115,5435 ; R2.1@1115,5435 R2.1@1120,5430 ; R2.1@1115,5435 R2.1@1120,5430 ; R2.1@1115,5435 R2.1@1120,5430 ; R2.1@1115,5435 R2.1@1120,5430 ; R2.1@1115,5435 R2.1@1120,5430
NetR5_1: R5.1 U4.1 | length 113.5
  Top Signal w5: R5.1@2010,4670 R5.1@2013.62,4670 2060,4670 2102.6,4712.6 U4.1@2102.6,4715.87
NetR8_1: R8.1 U5.4 | length 66.8
  Top Signal w20: R8.1@613.62,4940 613.62,4936.38 630,4920 U5.4@630,4880
NetR13_2: R13.2 U1.23 | length 2274.7
  Top Signal w8: v1(425,1115) 425,2395 730,2700 790,2700 820,2730 820,2740 U1.23@790,2770
  Bottom Signal w8: v1(425,1115) 425,915 530,810 R13.2@530,750
NetR15_2: R15.2 U1.22 | length 613.8
  Top Signal w8: v1(510,3040) 640,2910 660,2910 670,2900 670.71,2900 700,2870.71 700,2870 772.69,2797.31 773.15,2797.77 773.84,2797.77 774.62,2797 792,2797 805.21,2783.79 U1.22@806.21,2783.79
  Bottom Signal w8: v1(510,3040) 511.5,3041.5 R15.2@511.5,3250
NetR23_1: R23.1 R26.2 U1.13 U1.14 U1.15 | length 276.1
  Top Signal w8: v1(880,2925) 887.16,2925 U1.14@921.03,2891.14 ; U1.15@907.11,2877.22 907.22,2877.22 U1.13@935,2905
  Bottom Signal w8: R26.2@636.75,4008.25 R26.2@640,4005 ; R26.2@638.5,4010 R26.2@638.5,4013.5
  Bottom Signal w25: v1(600,4010) R26.2@638.5,4010 ; R26.2@638.5,4013.5 R23.1@705,4080 ; v1(640,3964) R26.2@640,4005
NetR24_1: R24.1 R27.2 U1.32 | length 177.1
  Top Signal w8: v1(820,2510) 820,2527.03 U1.32@851.43,2558.46
  Bottom Signal w10: R24.1@705,1560 R24.1@706.5,1561.5
  Bottom Signal w25: v1(705,1510) R24.1@705,1560 ; R24.1@706.5,1561.5 R27.2@706.5,1625
NetR36_1: R36.1 R38.2 U6.1 | length 126.4
  Top Signal w5: R36.1@1480,4276.38 R38.2@1480,4211.5 1480,4210 U6.1@1540,4210
NetR37_1: R37.1 R39.2 U6.3 | length 136.4
  Top Signal w5: U6.3@1620,4210 R39.2@1690,4210 ; R39.2@1680,4210 1680,4211.5 R37.1@1680,4276.38
NetR40_2: R40.2 S2.3 | length 104.7
  Top Signal w5: v1(1200,1515) 1200,1540 1210,1550 S2.3@1200,1560
  Bottom Signal w5: v1(1200,1515) R40.2@1200,1566.38
NetR41_2: R41.2 S2.4 | length 94.1
  Top Signal w5: v1(1255,1515) 1255,1555 S2.4@1260,1560
  Bottom Signal w5: v1(1255,1515) 1255,1555 R41.2@1260,1560
NetR42_2: R42.2 R43.2 U7.8 | length 120.9
  Top Signal w5: v1(1112,1056) 1114,1056 U7.8@1150,1020
  Bottom Signal w5: R42.2@1112,1028 v1(1112,1056) ; R42.2@1130,1010 R43.2@1170,1010
NetR54_1: R54.1 U10.5 | length 136
  Top Signal w5: U10.5@1515,721.65 1473.35,721.65 ; R54.1@1460,735 1473.35,721.65 ; R54.1@1460,735 1473.35,721.65 ; R54.1@1460,735 1473.35,721.65 ; R54.1@1460,735 1473.35,721.65 ; R54.1@1460,735 1473.35,721.65
NetR56_2: R56.2 U10.8 | length 136
  Top Signal w5: U10.8@1665,721.65 1706.65,721.65 ; 1706.65,721.65 R56.2@1720,735 ; 1706.65,721.65 R56.2@1720,735 ; 1706.65,721.65 R56.2@1720,735 ; 1706.65,721.65 R56.2@1720,735 ; 1706.65,721.65 R56.2@1720,735
NetR63_2: R63.2 U2.3 | length 341.3
  Top Signal w6: R63.2@1170,5960 1165,5955 1165,5920 1195,5890 1195,5765 1267.4,5692.6 U2.3@1296.85,5692.6
NetR64_2: R64.2 U2.4 | length 351
  Top Signal w6: U2.4@1296.85,5676.85 1336.85,5676.85 1340,5680 1340,5885 1375,5920 1375,5965 R64.2@1370,5970
NetR65_1: R65.1 R66.2 R67.2 U2.70 | length 176.9
  Top Signal w5: U2.70@1900,5317.96 1947.96,5317.96 v1(1950,5320)
  Bottom Signal w5: v1(1950,5320) 1955,5325 R65.1@1980,5325 ; R65.1@1983.19,5323.19 1985,5325 R66.2@2030,5325
  Bottom Signal w6: R66.2@2033.62,5326.38 R67.2@2080,5326.38
NetR68_2: R68.2 U2.59 | length 68.9
  Top Signal w6: R68.2@1763.62,5110 U2.59@1763.62,5178.92
NetR103_2: R103.2 U3.6 | length 104.4
  Top Signal w10: R103.2@548.62,5485 U3.6@652.99,5485
NetR104_2: R104.2 U3.7 | length 104.4
  Top Signal w10: R104.2@548.62,5435 U3.7@652.99,5435
PGA135_GND: J1.2 R23.2 | length 415.9
  Bottom Signal w25: J1.2@250,4050 298,4098 330.1,4098 369.89,4098.01 397,4098 415,4080 R23.2@638.5,4080
PGA246_GND: J5.2 R24.2 | length 432.3
  Bottom Signal w10: R24.2@643.5,1560 R24.2@645,1560
  Bottom Signal w25: J5.2@250,1550 300,1600 380,1600 420,1560 R24.2@643.5,1560
QEP1_SEL: S3.5 U9.9 U9.10 U9.11 | length 534.8
  Top Signal w5: S3.5@860,925 820,965 820,1015 855,1050 855,1325 878.2,1348.2 897.8,1348.2 U9.11@897.8,1348.39 U9.10@897.8,1373.98 U9.9@897.8,1399.57
QEP2_SEL: S3.2 U8.9 U8.10 U8.11 | length 649.5
  Top Signal w5: S3.2@1010,925 1040,925 v1(1065,950) ; v1(1235,1365) 1243.98,1373.98 U8.10@1277.8,1373.98 ; U8.11@1277.8,1348.39 1277.8,1372.8 U8.10@1280,1375 ; U8.10@1277.8,1377.8 U8.9@1277.8,1399.57
  Bottom Signal w5: v1(1065,950) 1070,950 1070,1050 1175,1155 1175,1195 1215,1235 1215,1345 v1(1235,1365)
RXD_FROM_XDS: J101.2 S8.5 | length 459.6
  Top Signal w5: S8.5@1057.17,4205 v1(1125,4205)
  Bottom Signal w5: v1(1125,4205) 1170,4250 1170,4465 J101.2@1250,4545
TCK: J101.8 U1.60 | length 2303.2
  Top Signal w5: v1(980,3960) 980,3580 1200,3360 v1(1200,3270) ; v1(1310,2560) 1310,2520 1300,2510 1300,2456.48 U1.60@1323.3,2433.19
  Bottom Signal w5: J101.8@950,4550 950,4480 980,4450 v1(980,3960) ; v1(1200,3270) 1210,3260 1210,2620 1270,2560 v1(1310,2560)
TMS: J101.6 R10.1 U1.62 | length 2307.3
  Top Signal w5: v1@1000,3980 1000,3590 1240,3350 v1(1240,3270) ; 1325,2498.92 1325,2487.16 U1.62@1351.14,2461.03 ; 1325,2500 1340,2515 v1(1340,2560)
  Bottom Signal w5: v1(1000,3985) 1000,4420 1050,4470 R10.1@1050,4473.62 J101.6@1050,4550 ; v1(1240,3270) 1240,3240 1220,3220 1220,2630 1260,2590 1310,2590 v1(1340,2560)
TXD_TO_XDS: J101.4 S8.2 | length 372.8
  Top Signal w5: J101.4@1150,4550 1150,4255 S8.2@1205,4200
USB_DM: R103.1 U100.5 USB101.2 | length 593.7
  Top Signal w8: USB101.2@419.41,5940 USB101.2@419.41,5948.19 ; USB101.2@420,5940 420,5900 395,5875 v1(395,5860) 395,5855 405,5845 U100.5@423.19,5845 ; v1(440,5490) R103.1@495,5490
  Bottom Signal w8: v1(395,5860) 405,5860 450,5815 450,5500 v1(440,5490)
USB_DP: R104.1 U100.4 USB101.3 | length 629.2
  Top Signal w8: U100.4@423.19,5864.69 423.19,5873.19 445,5895 USB101.3@445,5948.19 ; v1(450,5430) R104.1@496.38,5430 R104.1@500,5430
  Top Signal w12: USB101.3@443.81,5947 USB101.3@445,5948.19
  Bottom Signal w8: v1(443.81,5900) 443.81,5866.19 465,5845 465,5445 v1(450,5430)
USB_GND: C100.2 C101.2 C103.2 C104.2 C105.1 C106.1 JP1.1 L100.2 LED0.1 R100.1 R102.1 U3.2 U3.8 U100.3 U101.6 U101.9@170,5650 | length 1051.6
  Top Signal w8: v1(365,5420) LED0.1@365,5463.66 ; U100.3@446.81,5864.69 464.69,5864.69 475,5875 v1@475,5880 ; v1@474,5880 v1@474,5881
  Top Signal w12: R102.1@143.62,5530 144.62,5529 v1(187,5529) ; U101.6@157.2,5594.88 157.2,5567.8 165,5560 v1(175,5560)
  Top Signal w20: C103.2@80,5646.38 U101.9@166.38,5646.38 ; v1(565,5280) 648.74,5280 C104.2@650,5278.74 ; v1(585,5385) U3.8@652.99,5385 653.99,5384 v1(717,5384) ; v1(650,5330) C104.2@650,5278.74 ; v1(730,5280) 651.26,5280 C104.2@650,5278.74
  Top Signal w25: v1(415,5685) U3.2@652.99,5685 v1(716,5685) ; v1(585,5825) 591.5,5831.5 L100.2@591.5,5870 ; v1(660,5850) R100.1@660,5896.38 ; v1(710,5850) C101.2@710,5896.38
  other v1: 478,5876
  other v2: 170,5627.36 132.6,5650 207.4,5650 170,5672.64
USB_ID: U100.2 USB101.4 | length 156
  Top Signal w8: U100.2@446.81,5845 480,5845 498,5863 498,5888.87 471.87,5915 471.87,5943.13 USB101.4@470.59,5944.41 ; USB101.4@470,5945 USB101.4@470.59,5944.41 ; USB101.4@470.59,5948.19 USB101.4@470.59,5944.41
USB_VBUS: C100.1 C105.2 JP3.1 L101.2 U3.1 U100.6 U101.1 U101.2 U101.8 | length 460.1
  Top Signal w5: v1(395,5825) 400,5825 400.31,5825.31 U100.6@423.19,5825.31
  Top Signal w10: L101.2@260,5828.5 L101.2@261.5,5830
  Top Signal w12: U101.2@182.8,5705.12 195,5717.32 195,5718.5 ; v1(195,5740) 195,5718.5 ; v1(208.39,5571.61) U101.8@208.39,5594.88 ; U101.1@208.39,5705.12 195,5718.5
  Top Signal w20: v1(260,5780) L101.2@260,5828.5 ; v1(420,5730) 422.76,5730 426.38,5733.62 C100.1@460,5733.62
  Top Signal w25: C100.1@460,5733.62 C105.2@560,5733.62 651.61,5733.62 U3.1@652.99,5735 v1(717,5735)
USB_VCC: C102.1 C103.1 JP2.1 R101.2 R105.2 U101.3 U101.4
VDD: C9.2 C10.2 C11.1 C12.1 C13.1 C14.1 TP1.1 U1.4 U1.46 U1.71 U1.87 | length 605.6
  Top Signal w10: v1(1035,3065) 1035,3055.55 U1.4@1060.22,3030.33 ; U1.46@1046.3,2363.59 v1@1082.71,2400 ; U1.87@1378.97,2891.14 1411.84,2924 v1(1414,2924) ; U1.71@1476.41,2586.3 1522.71,2540 v1(1530,2540)
  Bottom Signal w10: C10.2@1020,3100 C10.2@1022.27,3097.73 ; C10.2@1020,3105 C10.2@1022.5,3102.5 ; C10.2@1022.27,3102.27 C10.2@1022.27,3097.73 ; C14.1@1065,3055 C14.1@1070,3050 ; C14.1@1070,3045 1050,3065 v1(1035,3065) 1035,3085 C10.2@1022.27,3097.73 ; v1(1080,2400) C13.1@1160,2400 ; C13.1@1160,2396.38 1165,2391.38 v1(1165,2360) ; v1(1414,2924) 1419,2924 1440,2945 C11.1@1440,2955 ; C11.1@1443.3,2951.7 1443.3,2958.3 1485,3000 C9.2@1468,3000 ; C12.1@1493.3,2553.3 1506.7,2553.3 1520,2540 v1(1530,2540)
VDDA: C16.1 C17.1 C18.1 L2.2 TP3.1 U1.11 U1.34 | length 320.6
  Top Signal w10: U1.34@879.27,2530.62 880.62,2530.62 v1(919,2569) ; U1.11@962.78,2932.89 1000,2895.68 v1(1000,2890) ; v1(919,2569) 918.18,2569.82 v1(919,2569)
  Bottom Signal w10: L2.2@643.46,2770 v1(690,2770) ; v1(919,2569) 967.5,2569 968.32,2569.82 C16.1@968.5,2570 ; v1@997.73,2892.27 1047.73,2892.27 1010,2854.54 1010,2850
VDDIO: C20.1 C21.2 C22.2 C23.2 C24.2 C25.2 L3.2 TP2.1 U1.3 U1.47 U1.70 U1.80 U1.88 | length 637.7
  Top Signal w6: v1(1023,2314) 1024.55,2314 U1.47@1060.22,2349.67 ; v1(1300,2860) 1320,2860 U1.88@1365.06,2905.06 ; v1(1405,2635) 1405,2630 1435,2600 ; 1434.94,2599.94 U1.70@1462.49,2572.38 ; v1(1448,2755) 1448,2768 1473.7,2793.7 U1.80@1476.41,2793.7
  Top Signal w10: U1.3@1080,3040 1100,3020 v1(1100,3003.41)
  Bottom Signal w6: v1(1023,2314) 1023,2339 C22.2@1037,2353 ; v1@1100,3005 v1(1100,3003.41) 1100,2993.41 C21.2@1126.7,2966.7 ; v1(1300,2860) C24.2@1325,2885 ; v1(1306,2725) v1@1307,2725 ; v1@1307,2726 1308.73,2727.73 C20.1@1352.27,2727.73 ; C20.1@1352.5,2727.5 C20.1@1355,2730 ; v1(1405,2635) 1431.7,2608.3 C23.2@1433.3,2608.3 ; C25.2@1412,2747 1420,2755 v1(1448,2755)
  Bottom Signal w10: L3.2@1000,2263.46 L3.2@1010,2263.46 L3.2@1011,2263.46 ; L3.2@1011,2263 v1(1060,2263)
VREGENZ: R11.1 R12.1 U1.73 | length 205
  Top Signal w5: U1.73@1504.25,2614.14 1528.39,2590 1620,2590 R11.1@1628.5,2581.5 ; R12.1@1628,2517 1628.5,2517.5 R11.1@1628.5,2581.5 ; R11.1@1628.5,2584 R11.1@1628.5,2581.5
X1: C39.1 R35.1 U1.69 Y2.3 | length 436.2
  Top Signal w6: U1.69@1448.57,2558.46 1470.88,2536.16 1503.84,2536.16 1593.22,2446.78
  Top Signal w8: 1593.22,2446.78 1633.76,2406.24 Y2.3@1650.71,2406.24 ; v1(1633,2362) 1654.05,2383.05 Y2.3@1654.05,2406.24
  Bottom Signal w0: v1@1632.43,2360 1633,2360.57 v1@1634.43,2362
  Bottom Signal w8: v1@1632.43,2360 1630,2360 1672.93,2402.93 C39.1@1674.84,2402.93 ; v1(1633,2362) 1633,2360.57 1633,2354 1640.86,2346.14 R35.1@1671.92,2346.14
XDS_DM: R1.2 U2.93 | length 900.2
  Top Signal w6: v1(1200,5460) 1190,5460 R1.2@1160,5490 ; v1(1360,5400) 1485,5400 1761.85,5676.85 U2.93@1903.15,5676.85 ; R1.2@1160,5490 1161.81,5488.19 R1.2@1160,5490
  Bottom Signal w6: v1(1200,5460) 1260,5400 v1(1360,5400)
XDS_DP: R2.2 U2.94 | length 851.9
  Top Signal w6: R2.2@1160,5430 R2.2@1163.62,5430 1200,5430 1210,5440 v1(1250,5440) ; v1(1390,5440) 1501,5440 1753.6,5692.6 U2.94@1903.15,5692.6
  Bottom Signal w6: v1(1250,5440) v1(1390,5440)
XDS_RESET_OUT: J102.10 R57.1 U2.40 U12.2 | length 515.2
  Top Signal w5: U12.2@1456.57,4980 v1(1490,4980) 1490,4875 1480,4865 1550,4795 J102.10@1550,4750 ; U2.40@1466.14,5176.85 1466.14,5123.86 v1(1470,5120) ; J102.10@1548.62,4748.62 J102.10@1550,4750 ; J102.10@1550,4740 J102.10@1550,4750
  Bottom Signal w5: v1(1470,5120) 1470,5010 1490,4990 v1(1490,4980)
XDS_RXD: J101.3 U2.33 | length 612.1
  Top Signal w5: J101.3@1150,4650 1150,4930 1355.91,5135.91 U2.33@1355.91,5176.85
XDS_TCK_SWDCLK: J101.7 J102.4 U2.35 U12.6 | length 1444.2
  Top Signal w5: U2.35@1387.4,5176.85 1387.4,5107.4 1370,5090 v1(1370,4980) ; U12.6@1410,4980 U12.6@1403.43,4980 v1(1370,4980) ; J102.4@1700,4735 J102.4@1700,4734.88 1700,4680 1690,4670 1525,4670 1370,4825 v1(1370,4980)
  Bottom Signal w5: J101.7@950,4650 950,4710 1080,4840 1230,4840 v1(1370,4980)
XDS_TDI: J102.8 U2.38 U12.3 | length 557.9
  Top Signal w5: U2.38@1436.03,5173.97 1436.03,5150 1440,5146.03 1440,5070 1460,5050 1460,5003.11 U12.3@1456.57,4999.68 1505.32,4999.68 1515,4990 1515,4850 1565,4800 1590,4800 1600,4790 J102.8@1600,4734.88 J102.8@1600,4730
XDS_TDO_SWO: J102.6 U2.37 U12.5 | length 652.6
  Top Signal w5: U12.5@1403.43,4999.68 1403.43,5033.43 v1@1420,5050 ; v1(1420,5060) v1@1420,5050 ; U2.37@1420,5180 v1@1420,5050 ; J102.6@1650,4735 v1(1650,4815)
  Bottom Signal w5: v1(1420,5060) 1420,4990 1451,4959 1465,4959 1599,4825 1645,4825 1650,4820 v1(1650,4815)